# KiCad board TX75v2 PCB replacement.kicad_pcb (continued)
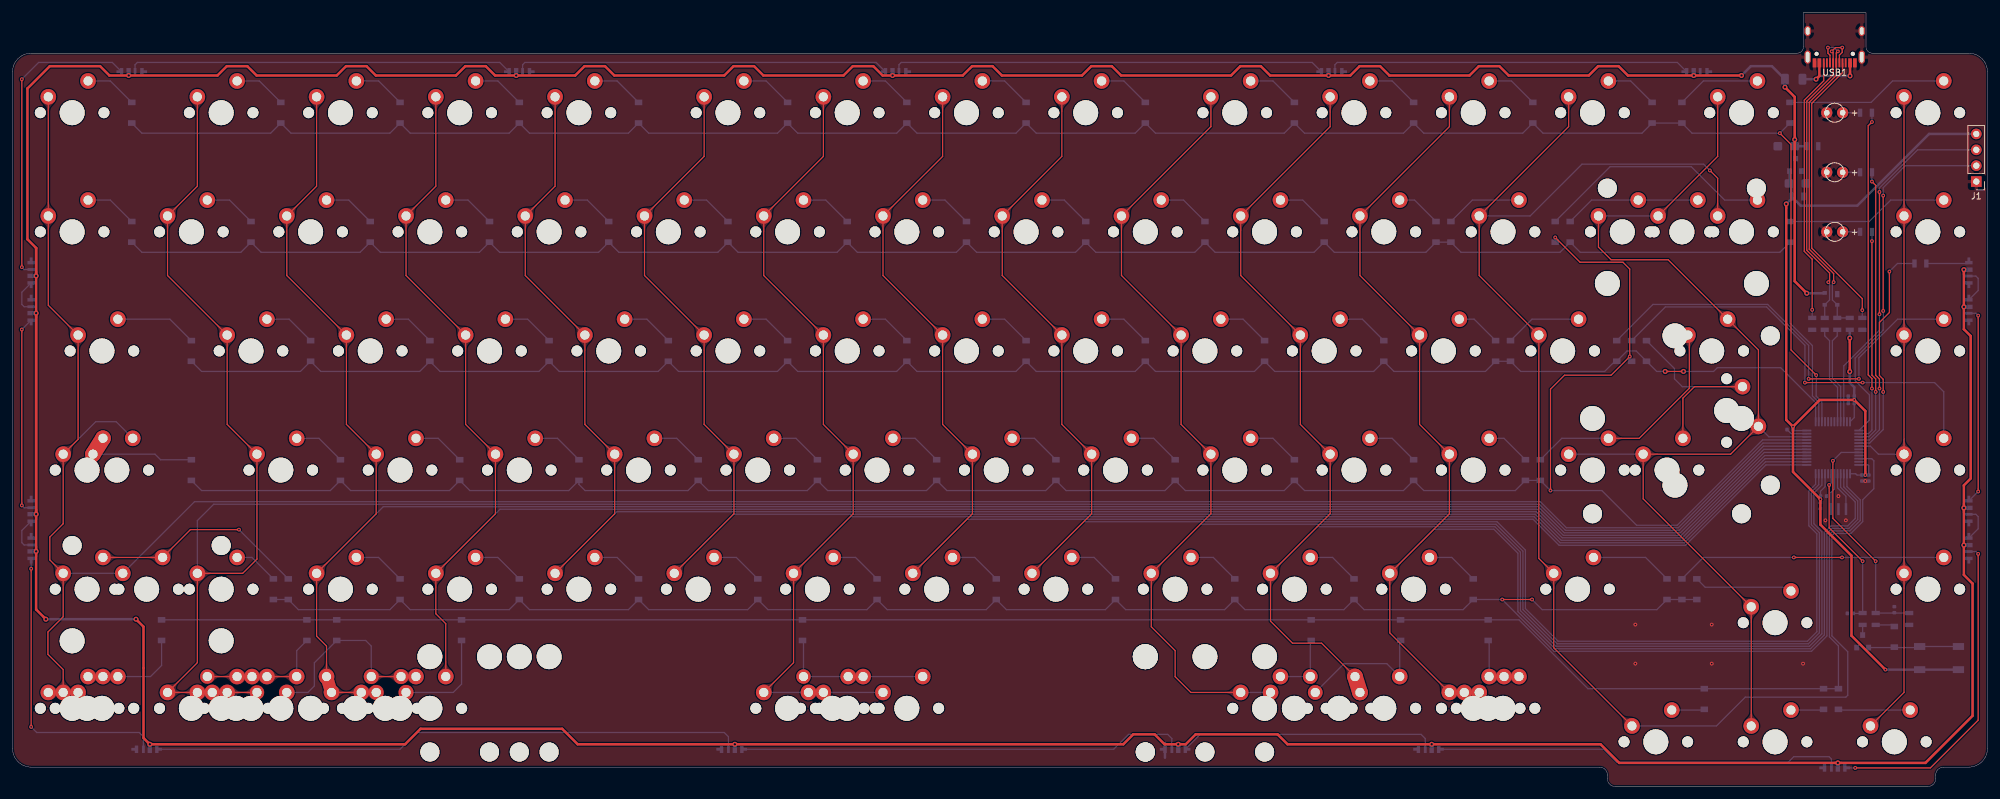
[diagram p0: board, top side]
## Copper pours and planes (outline as drawn; the poured copper is in the pictures) (continued)
C6 on Top: 132.47,54.83 132.54,54.76 132.61,54.68 132.67,54.61 132.72,54.54 132.77,54.47 132.81,54.4 132.84,54.34 132.87,54.27 132.89,54.21 132.91,54.15 132.93,54.09 132.94,54.02 132.95,53.96 132.96,53.9 132.99,53.38 133,53.3 133.01,53.23 133.02,53.15 133.03,53.08 133.05,52.99 133.07,52.91 133.09,52.82 133.12,52.73 134.74,52.7 134.71,54.32 134.62,54.35 134.53,54.38 134.45,54.4 134.37,54.41 134.29,54.43 134.21,54.44 134.14,54.45 134.07,54.45 133.54,54.48 133.48,54.49 133.42,54.5 133.36,54.51 133.3,54.53 133.23,54.55 133.17,54.57 133.11,54.6 133.04,54.64 132.97,54.68 132.91,54.72 132.84,54.77 132.76,54.83 132.69,54.9 132.61,54.97
C6 on Top: 120.12,88.75 120.12,88.86 120.12,88.96 120.13,89.05 120.15,89.14 120.16,89.22 120.18,89.29 120.2,89.36 120.23,89.43 120.26,89.49 120.29,89.55 120.32,89.6 120.35,89.66 120.39,89.71 120.43,89.76 120.78,90.15 120.82,90.2 120.87,90.26 120.92,90.32 120.96,90.39 121.01,90.46 121.05,90.53 121.1,90.61 121.14,90.7 120.01,91.87 118.89,90.7 118.93,90.61 118.98,90.53 119.02,90.46 119.07,90.39 119.11,90.32 119.16,90.26 119.21,90.2 119.25,90.15 119.6,89.76 119.64,89.71 119.68,89.66 119.71,89.6 119.74,89.55 119.77,89.49 119.8,89.43 119.83,89.36 119.85,89.29 119.87,89.22 119.88,89.14 119.9,89.05 119.91,88.96 119.91,88.86 119.91,88.75
C6 on Top: 127.71,73.88 127.78,73.81 127.85,73.73 127.91,73.66 127.96,73.59 128,73.52 128.04,73.45 128.08,73.39 128.11,73.32 128.13,73.26 128.15,73.2 128.17,73.14 128.18,73.07 128.19,73.01 128.2,72.95 128.23,72.43 128.23,72.35 128.24,72.28 128.25,72.2 128.27,72.13 128.28,72.04 128.3,71.96 128.33,71.87 128.36,71.78 129.98,71.75 129.95,73.37 129.86,73.4 129.77,73.43 129.69,73.45 129.61,73.46 129.53,73.48 129.45,73.49 129.38,73.5 129.31,73.5 128.78,73.53 128.72,73.54 128.66,73.55 128.6,73.56 128.53,73.58 128.47,73.6 128.41,73.62 128.34,73.65 128.28,73.69 128.21,73.73 128.14,73.77 128.07,73.82 128,73.88 127.93,73.95 127.85,74.02
C6 on Top: 129.64,107.8 129.64,107.91 129.65,108.01 129.66,108.1 129.67,108.19 129.69,108.27 129.71,108.34 129.73,108.41 129.75,108.48 129.78,108.54 129.81,108.6 129.84,108.65 129.88,108.71 129.91,108.76 129.95,108.81 130.3,109.2 130.35,109.25 130.39,109.31 130.44,109.37 130.49,109.44 130.53,109.51 130.58,109.58 130.62,109.66 130.66,109.75 129.54,110.92 128.41,109.75 128.46,109.66 128.5,109.58 128.55,109.51 128.59,109.44 128.64,109.37 128.69,109.31 128.73,109.25 128.78,109.2 129.13,108.81 129.17,108.76 129.2,108.71 129.24,108.65 129.27,108.6 129.3,108.54 129.33,108.48 129.35,108.41 129.37,108.34 129.39,108.27 129.41,108.19 129.42,108.1 129.43,108.01 129.44,107.91 129.44,107.8
C6 on Top: 121.7,93.07 121.63,93 121.55,92.93 121.48,92.87 121.41,92.82 121.34,92.78 121.28,92.74 121.21,92.7 121.15,92.67 121.08,92.65 121.02,92.63 120.96,92.61 120.9,92.6 120.83,92.59 120.77,92.58 120.25,92.55 120.18,92.55 120.1,92.54 120.03,92.53 119.95,92.51 119.87,92.5 119.78,92.48 119.7,92.45 119.6,92.42 119.57,90.8 121.2,90.83 121.23,90.92 121.25,91.01 121.27,91.09 121.29,91.18 121.3,91.25 121.31,91.33 121.32,91.4 121.33,91.48 121.36,92 121.36,92.06 121.37,92.12 121.39,92.19 121.4,92.25 121.42,92.31 121.45,92.37 121.48,92.44 121.51,92.5 121.55,92.57 121.6,92.64 121.65,92.71 121.71,92.78 121.77,92.86 121.85,92.93
C6 on Bottom: 132.03,15.14 131.92,15.14 131.82,15.15 131.73,15.16 131.65,15.17 131.57,15.19 131.49,15.21 131.42,15.23 131.35,15.25 131.29,15.28 131.23,15.31 131.18,15.34 131.12,15.38 131.07,15.42 131.02,15.45 130.63,15.8 130.58,15.85 130.52,15.9 130.46,15.94 130.39,15.99 130.32,16.03 130.25,16.08 130.17,16.12 130.08,16.17 128.91,15.04 130.08,13.92 130.17,13.96 130.25,14 130.32,14.05 130.39,14.09 130.46,14.14 130.52,14.19 130.58,14.23 130.63,14.28 131.02,14.63 131.07,14.67 131.12,14.7 131.18,14.74 131.23,14.77 131.29,14.8 131.35,14.83 131.42,14.85 131.49,14.88 131.57,14.9 131.65,14.91 131.73,14.92 131.82,14.93 131.92,14.94 132.03,14.94
C6 on Bottom: 136.57,14.94 136.68,14.94 136.78,14.93 136.87,14.92 136.96,14.91 137.04,14.9 137.11,14.88 137.19,14.85 137.25,14.83 137.31,14.8 137.37,14.77 137.43,14.74 137.48,14.7 137.53,14.67 137.58,14.63 137.97,14.28 138.03,14.23 138.08,14.19 138.15,14.14 138.21,14.09 138.28,14.05 138.36,14 138.43,13.96 138.52,13.92 139.69,15.04 138.52,16.17 138.43,16.12 138.36,16.08 138.28,16.03 138.21,15.99 138.15,15.94 138.08,15.9 138.03,15.85 137.97,15.8 137.58,15.45 137.53,15.42 137.48,15.38 137.43,15.34 137.37,15.31 137.31,15.28 137.25,15.25 137.19,15.23 137.11,15.21 137.04,15.19 136.96,15.17 136.87,15.16 136.78,15.15 136.68,15.14 136.57,15.14
C6 on Bottom: 124.67,14.94 124.77,14.94 124.87,14.93 124.97,14.92 125.05,14.91 125.13,14.9 125.21,14.88 125.28,14.85 125.34,14.83 125.41,14.8 125.47,14.77 125.52,14.74 125.57,14.7 125.63,14.67 125.67,14.63 126.07,14.28 126.12,14.23 126.18,14.19 126.24,14.14 126.31,14.09 126.37,14.05 126.45,14 126.53,13.96 126.61,13.92 127.78,15.04 126.61,16.17 126.53,16.12 126.45,16.08 126.37,16.03 126.31,15.99 126.24,15.94 126.18,15.9 126.12,15.85 126.07,15.8 125.67,15.45 125.63,15.42 125.57,15.38 125.52,15.34 125.47,15.31 125.41,15.28 125.34,15.25 125.28,15.23 125.21,15.21 125.13,15.19 125.05,15.17 124.97,15.16 124.87,15.15 124.77,15.14 124.67,15.14
C6 on Bottom: 122.5,15.14 122.4,15.14 122.3,15.15 122.21,15.16 122.12,15.17 122.04,15.19 121.97,15.21 121.89,15.23 121.83,15.25 121.77,15.28 121.71,15.31 121.65,15.34 121.6,15.38 121.55,15.42 121.5,15.45 121.11,15.8 121.05,15.85 121,15.9 120.93,15.94 120.87,15.99 120.8,16.03 120.72,16.08 120.65,16.12 120.56,16.17 119.39,15.04 120.56,13.92 120.65,13.96 120.72,14 120.8,14.05 120.87,14.09 120.93,14.14 121,14.19 121.05,14.23 121.11,14.28 121.5,14.63 121.55,14.67 121.6,14.7 121.65,14.74 121.71,14.77 121.77,14.8 121.83,14.83 121.89,14.85 121.97,14.88 122.04,14.9 122.12,14.91 122.21,14.92 122.3,14.93 122.4,14.94 122.5,14.94
C6 on Bottom: 126.47,35.92 126.39,35.85 126.32,35.78 126.24,35.72 126.17,35.67 126.11,35.63 126.04,35.59 125.97,35.55 125.91,35.52 125.85,35.5 125.78,35.48 125.72,35.46 125.66,35.45 125.6,35.44 125.54,35.43 125.01,35.4 124.94,35.4 124.87,35.39 124.79,35.38 124.71,35.36 124.63,35.35 124.55,35.33 124.46,35.3 124.37,35.27 124.34,33.65 125.96,33.68 125.99,33.77 126.01,33.86 126.03,33.94 126.05,34.03 126.06,34.1 126.07,34.18 126.08,34.25 126.09,34.33 126.12,34.85 126.13,34.91 126.14,34.97 126.15,35.04 126.17,35.1 126.19,35.16 126.21,35.22 126.24,35.29 126.27,35.35 126.31,35.42 126.36,35.49 126.41,35.56 126.47,35.63 126.54,35.71 126.61,35.78
C7 on Top: 153.45,50.65 153.45,50.76 153.46,50.86 153.47,50.95 153.48,51.04 153.5,51.12 153.52,51.19 153.54,51.26 153.57,51.33 153.59,51.39 153.62,51.45 153.66,51.5 153.69,51.56 153.73,51.61 153.77,51.66 154.11,52.05 154.16,52.1 154.21,52.16 154.25,52.22 154.3,52.29 154.35,52.36 154.39,52.43 154.43,52.51 154.48,52.6 153.35,53.77 152.23,52.6 152.27,52.51 152.31,52.43 152.36,52.36 152.41,52.29 152.45,52.22 152.5,52.16 152.54,52.1 152.59,52.05 152.94,51.66 152.98,51.61 153.01,51.56 153.05,51.5 153.08,51.45 153.11,51.39 153.14,51.33 153.16,51.26 153.19,51.19 153.21,51.12 153.22,51.04 153.24,50.95 153.24,50.86 153.25,50.76 153.25,50.65
C7 on Top: 145.52,35.92 145.44,35.85 145.37,35.78 145.29,35.72 145.22,35.67 145.16,35.63 145.09,35.59 145.02,35.55 144.96,35.52 144.9,35.5 144.83,35.48 144.77,35.46 144.71,35.45 144.65,35.44 144.59,35.43 144.06,35.4 143.99,35.4 143.92,35.39 143.84,35.38 143.76,35.36 143.68,35.35 143.6,35.33 143.51,35.3 143.42,35.27 143.39,33.65 145.01,33.68 145.04,33.77 145.06,33.86 145.08,33.94 145.1,34.03 145.11,34.1 145.12,34.18 145.13,34.25 145.14,34.33 145.17,34.85 145.18,34.91 145.19,34.97 145.2,35.04 145.22,35.1 145.24,35.16 145.26,35.22 145.29,35.29 145.32,35.35 145.36,35.42 145.41,35.49 145.46,35.56 145.52,35.63 145.59,35.71 145.66,35.78
C7 on Top: 148.69,69.7 148.69,69.81 148.7,69.91 148.71,70 148.72,70.09 148.74,70.17 148.76,70.24 148.78,70.31 148.8,70.38 148.83,70.44 148.86,70.5 148.89,70.55 148.93,70.61 148.96,70.66 149,70.71 149.35,71.1 149.4,71.15 149.44,71.21 149.49,71.27 149.54,71.34 149.58,71.41 149.63,71.48 149.67,71.56 149.72,71.65 148.59,72.82 147.47,71.65 147.51,71.56 147.55,71.48 147.6,71.41 147.64,71.34 147.69,71.27 147.74,71.21 147.78,71.15 147.83,71.1 148.18,70.71 148.22,70.66 148.25,70.61 148.29,70.55 148.32,70.5 148.35,70.44 148.38,70.38 148.4,70.31 148.42,70.24 148.44,70.17 148.46,70.09 148.47,70 148.48,69.91 148.49,69.81 148.49,69.7
C7 on Top: 151.52,54.83 151.59,54.76 151.66,54.68 151.72,54.61 151.77,54.54 151.82,54.47 151.86,54.4 151.89,54.34 151.92,54.27 151.94,54.21 151.96,54.15 151.98,54.09 151.99,54.02 152,53.96 152.01,53.9 152.04,53.38 152.05,53.3 152.06,53.23 152.07,53.15 152.08,53.08 152.1,52.99 152.12,52.91 152.14,52.82 152.17,52.73 153.79,52.7 153.76,54.32 153.67,54.35 153.58,54.38 153.5,54.4 153.42,54.41 153.34,54.43 153.26,54.44 153.19,54.45 153.12,54.45 152.59,54.48 152.53,54.49 152.47,54.5 152.41,54.51 152.35,54.53 152.28,54.55 152.22,54.57 152.16,54.6 152.09,54.64 152.02,54.68 151.96,54.72 151.89,54.77 151.81,54.83 151.74,54.9 151.66,54.97
C7 on Top: 139.16,88.75 139.17,88.86 139.17,88.96 139.18,89.05 139.2,89.14 139.21,89.22 139.23,89.29 139.25,89.36 139.28,89.43 139.31,89.49 139.34,89.55 139.37,89.6 139.4,89.66 139.44,89.71 139.48,89.76 139.83,90.15 139.87,90.2 139.92,90.26 139.97,90.32 140.01,90.39 140.06,90.46 140.1,90.53 140.15,90.61 140.19,90.7 139.06,91.87 137.94,90.7 137.98,90.61 138.03,90.53 138.07,90.46 138.12,90.39 138.16,90.32 138.21,90.26 138.26,90.2 138.3,90.15 138.65,89.76 138.69,89.71 138.73,89.66 138.76,89.6 138.79,89.55 138.82,89.49 138.85,89.43 138.88,89.36 138.9,89.29 138.92,89.22 138.93,89.14 138.95,89.05 138.96,88.96 138.96,88.86 138.97,88.75
C7 on Top: 146.76,73.88 146.83,73.81 146.9,73.73 146.96,73.66 147.01,73.59 147.05,73.52 147.09,73.45 147.13,73.39 147.16,73.32 147.18,73.26 147.2,73.2 147.22,73.14 147.23,73.07 147.24,73.01 147.25,72.95 147.28,72.43 147.28,72.35 147.29,72.28 147.3,72.2 147.32,72.13 147.33,72.04 147.35,71.96 147.38,71.87 147.41,71.78 149.03,71.75 149,73.37 148.91,73.4 148.82,73.43 148.74,73.45 148.66,73.46 148.58,73.48 148.5,73.49 148.43,73.5 148.36,73.5 147.83,73.53 147.77,73.54 147.71,73.55 147.65,73.56 147.58,73.58 147.52,73.6 147.46,73.62 147.39,73.65 147.33,73.69 147.26,73.73 147.19,73.77 147.12,73.82 147.05,73.88 146.98,73.95 146.9,74.02
C7 on Top: 148.69,107.8 148.69,107.91 148.7,108.01 148.71,108.1 148.72,108.19 148.74,108.27 148.76,108.34 148.78,108.41 148.8,108.48 148.83,108.54 148.86,108.6 148.89,108.65 148.93,108.71 148.96,108.76 149,108.81 149.35,109.2 149.4,109.25 149.44,109.31 149.49,109.37 149.54,109.44 149.58,109.51 149.63,109.58 149.67,109.66 149.72,109.75 148.59,110.92 147.47,109.75 147.51,109.66 147.55,109.58 147.6,109.51 147.64,109.44 147.69,109.37 147.74,109.31 147.78,109.25 147.83,109.2 148.18,108.81 148.22,108.76 148.25,108.71 148.29,108.65 148.32,108.6 148.35,108.54 148.38,108.48 148.4,108.41 148.42,108.34 148.44,108.27 148.46,108.19 148.47,108.1 148.48,108.01 148.49,107.91 148.49,107.8
C7 on Top: 140.75,93.07 140.68,93 140.6,92.93 140.53,92.87 140.46,92.82 140.39,92.78 140.33,92.74 140.26,92.7 140.2,92.67 140.13,92.65 140.07,92.63 140.01,92.61 139.95,92.6 139.88,92.59 139.82,92.58 139.3,92.55 139.23,92.55 139.15,92.54 139.08,92.53 139,92.51 138.92,92.5 138.83,92.48 138.75,92.45 138.65,92.42 138.62,90.8 140.25,90.83 140.28,90.92 140.3,91.01 140.32,91.09 140.34,91.18 140.35,91.25 140.36,91.33 140.37,91.4 140.38,91.48 140.41,92 140.41,92.06 140.42,92.12 140.44,92.19 140.45,92.25 140.47,92.31 140.5,92.37 140.53,92.44 140.56,92.5 140.6,92.57 140.65,92.64 140.7,92.71 140.76,92.78 140.82,92.86 140.9,92.93
C7 on Bottom: 145.52,35.92 145.44,35.85 145.37,35.78 145.29,35.72 145.22,35.67 145.16,35.63 145.09,35.59 145.02,35.55 144.96,35.52 144.9,35.5 144.83,35.48 144.77,35.46 144.71,35.45 144.65,35.44 144.59,35.43 144.06,35.4 143.99,35.4 143.92,35.39 143.84,35.38 143.76,35.36 143.68,35.35 143.6,35.33 143.51,35.3 143.42,35.27 143.39,33.65 145.01,33.68 145.04,33.77 145.06,33.86 145.08,33.94 145.1,34.03 145.11,34.1 145.12,34.18 145.13,34.25 145.14,34.33 145.17,34.85 145.18,34.91 145.19,34.97 145.2,35.04 145.22,35.1 145.24,35.16 145.26,35.22 145.29,35.29 145.32,35.35 145.36,35.42 145.41,35.49 145.46,35.56 145.52,35.63 145.59,35.71 145.66,35.78
C8 on Top: 172.5,50.65 172.5,50.76 172.51,50.86 172.52,50.95 172.53,51.04 172.55,51.12 172.57,51.19 172.59,51.26 172.62,51.33 172.64,51.39 172.67,51.45 172.71,51.5 172.74,51.56 172.78,51.61 172.82,51.66 173.16,52.05 173.21,52.1 173.26,52.16 173.3,52.22 173.35,52.29 173.4,52.36 173.44,52.43 173.48,52.51 173.53,52.6 172.4,53.77 171.28,52.6 171.32,52.51 171.36,52.43 171.41,52.36 171.46,52.29 171.5,52.22 171.55,52.16 171.59,52.1 171.64,52.05 171.99,51.66 172.03,51.61 172.06,51.56 172.1,51.5 172.13,51.45 172.16,51.39 172.19,51.33 172.21,51.26 172.24,51.19 172.26,51.12 172.27,51.04 172.29,50.95 172.29,50.86 172.3,50.76 172.3,50.65
C8 on Top: 164.57,35.92 164.49,35.85 164.42,35.78 164.34,35.72 164.27,35.67 164.21,35.63 164.14,35.59 164.07,35.55 164.01,35.52 163.95,35.5 163.88,35.48 163.82,35.46 163.76,35.45 163.7,35.44 163.64,35.43 163.11,35.4 163.04,35.4 162.97,35.39 162.89,35.38 162.81,35.36 162.73,35.35 162.65,35.33 162.56,35.3 162.47,35.27 162.44,33.65 164.06,33.68 164.09,33.77 164.11,33.86 164.13,33.94 164.15,34.03 164.16,34.1 164.17,34.18 164.18,34.25 164.19,34.33 164.22,34.85 164.23,34.91 164.24,34.97 164.25,35.04 164.27,35.1 164.29,35.16 164.31,35.22 164.34,35.29 164.37,35.35 164.41,35.42 164.46,35.49 164.51,35.56 164.57,35.63 164.64,35.71 164.71,35.78
C8 on Top: 167.74,69.7 167.74,69.81 167.75,69.91 167.76,70 167.77,70.09 167.79,70.17 167.81,70.24 167.83,70.31 167.85,70.38 167.88,70.44 167.91,70.5 167.94,70.55 167.98,70.61 168.01,70.66 168.05,70.71 168.4,71.1 168.45,71.15 168.49,71.21 168.54,71.27 168.59,71.34 168.63,71.41 168.68,71.48 168.72,71.56 168.77,71.65 167.64,72.82 166.52,71.65 166.56,71.56 166.6,71.48 166.65,71.41 166.69,71.34 166.74,71.27 166.79,71.21 166.83,71.15 166.88,71.1 167.23,70.71 167.27,70.66 167.3,70.61 167.34,70.55 167.37,70.5 167.4,70.44 167.43,70.38 167.45,70.31 167.47,70.24 167.49,70.17 167.51,70.09 167.52,70 167.53,69.91 167.54,69.81 167.54,69.7
C8 on Top: 170.57,54.83 170.64,54.76 170.71,54.68 170.77,54.61 170.82,54.54 170.87,54.47 170.91,54.4 170.94,54.34 170.97,54.27 170.99,54.21 171.01,54.15 171.03,54.09 171.04,54.02 171.05,53.96 171.06,53.9 171.09,53.38 171.1,53.3 171.11,53.23 171.12,53.15 171.13,53.08 171.15,52.99 171.17,52.91 171.19,52.82 171.22,52.73 172.84,52.7 172.81,54.32 172.72,54.35 172.63,54.38 172.55,54.4 172.47,54.41 172.39,54.43 172.31,54.44 172.24,54.45 172.17,54.45 171.64,54.48 171.58,54.49 171.52,54.5 171.46,54.51 171.4,54.53 171.33,54.55 171.27,54.57 171.21,54.6 171.14,54.64 171.07,54.68 171.01,54.72 170.94,54.77 170.86,54.83 170.79,54.9 170.71,54.97
C8 on Top: 158.22,88.75 158.22,88.86 158.22,88.96 158.23,89.05 158.25,89.14 158.26,89.22 158.28,89.29 158.3,89.36 158.33,89.43 158.36,89.49 158.39,89.55 158.42,89.6 158.45,89.66 158.49,89.71 158.53,89.76 158.88,90.15 158.92,90.2 158.97,90.26 159.02,90.32 159.06,90.39 159.11,90.46 159.15,90.53 159.2,90.61 159.24,90.7 158.12,91.87 156.99,90.7 157.03,90.61 157.08,90.53 157.12,90.46 157.17,90.39 157.21,90.32 157.26,90.26 157.31,90.2 157.35,90.15 157.7,89.76 157.74,89.71 157.78,89.66 157.81,89.6 157.84,89.55 157.87,89.49 157.9,89.43 157.93,89.36 157.95,89.29 157.97,89.22 157.98,89.14 158,89.05 158.01,88.96 158.01,88.86 158.01,88.75
C8 on Top: 165.81,73.88 165.88,73.81 165.95,73.73 166.01,73.66 166.06,73.59 166.1,73.52 166.14,73.45 166.18,73.39 166.21,73.32 166.23,73.26 166.25,73.2 166.27,73.14 166.28,73.07 166.29,73.01 166.3,72.95 166.33,72.43 166.33,72.35 166.34,72.28 166.35,72.2 166.37,72.13 166.38,72.04 166.4,71.96 166.43,71.87 166.46,71.78 168.08,71.75 168.05,73.37 167.96,73.4 167.87,73.43 167.79,73.45 167.71,73.46 167.63,73.48 167.55,73.49 167.48,73.5 167.41,73.5 166.88,73.53 166.82,73.54 166.76,73.55 166.7,73.56 166.63,73.58 166.57,73.6 166.51,73.62 166.44,73.65 166.38,73.69 166.31,73.73 166.24,73.77 166.17,73.82 166.1,73.88 166.03,73.95 165.95,74.02
C8 on Top: 167.74,107.8 167.74,107.91 167.75,108.01 167.76,108.1 167.77,108.19 167.79,108.27 167.81,108.34 167.83,108.41 167.85,108.48 167.88,108.54 167.91,108.6 167.94,108.65 167.98,108.71 168.01,108.76 168.05,108.81 168.4,109.2 168.45,109.25 168.49,109.31 168.54,109.37 168.59,109.44 168.63,109.51 168.68,109.58 168.72,109.66 168.77,109.75 167.64,110.92 166.52,109.75 166.56,109.66 166.6,109.58 166.65,109.51 166.69,109.44 166.74,109.37 166.79,109.31 166.83,109.25 166.88,109.2 167.23,108.81 167.27,108.76 167.3,108.71 167.34,108.65 167.37,108.6 167.4,108.54 167.43,108.48 167.45,108.41 167.47,108.34 167.49,108.27 167.51,108.19 167.52,108.1 167.53,108.01 167.54,107.91 167.54,107.8
C8 on Top: 159.8,93.07 159.73,93 159.65,92.93 159.58,92.87 159.51,92.82 159.44,92.78 159.38,92.74 159.31,92.7 159.25,92.67 159.18,92.65 159.12,92.63 159.06,92.61 159,92.6 158.93,92.59 158.87,92.58 158.35,92.55 158.28,92.55 158.2,92.54 158.13,92.53 158.05,92.51 157.97,92.5 157.88,92.48 157.8,92.45 157.7,92.42 157.67,90.8 159.3,90.83 159.33,90.92 159.35,91.01 159.37,91.09 159.39,91.18 159.4,91.25 159.41,91.33 159.42,91.4 159.43,91.48 159.46,92 159.46,92.06 159.47,92.12 159.49,92.19 159.5,92.25 159.52,92.31 159.55,92.37 159.58,92.44 159.61,92.5 159.65,92.57 159.7,92.64 159.75,92.71 159.81,92.78 159.87,92.86 159.95,92.93
C8 on Bottom: 164.57,35.92 164.49,35.85 164.42,35.78 164.34,35.72 164.27,35.67 164.21,35.63 164.14,35.59 164.07,35.55 164.01,35.52 163.95,35.5 163.88,35.48 163.82,35.46 163.76,35.45 163.7,35.44 163.64,35.43 163.11,35.4 163.04,35.4 162.97,35.39 162.89,35.38 162.81,35.36 162.73,35.35 162.65,35.33 162.56,35.3 162.47,35.27 162.44,33.65 164.06,33.68 164.09,33.77 164.11,33.86 164.13,33.94 164.15,34.03 164.16,34.1 164.17,34.18 164.18,34.25 164.19,34.33 164.22,34.85 164.23,34.91 164.24,34.97 164.25,35.04 164.27,35.1 164.29,35.16 164.31,35.22 164.34,35.29 164.37,35.35 164.41,35.42 164.46,35.49 164.51,35.56 164.57,35.63 164.64,35.71 164.71,35.78
C9 on Top: 193.72,14.94 193.83,14.94 193.93,14.93 194.02,14.92 194.11,14.91 194.19,14.9 194.26,14.88 194.34,14.85 194.4,14.83 194.46,14.8 194.52,14.77 194.58,14.74 194.63,14.7 194.68,14.67 194.73,14.63 195.12,14.28 195.18,14.23 195.23,14.19 195.3,14.14 195.36,14.09 195.43,14.05 195.51,14 195.58,13.96 195.67,13.92 196.84,15.04 195.67,16.17 195.58,16.12 195.51,16.08 195.43,16.03 195.36,15.99 195.3,15.94 195.23,15.9 195.18,15.85 195.12,15.8 194.73,15.45 194.68,15.42 194.63,15.38 194.58,15.34 194.52,15.31 194.46,15.28 194.4,15.25 194.34,15.23 194.26,15.21 194.19,15.19 194.11,15.17 194.02,15.16 193.93,15.15 193.83,15.14 193.72,15.14
C9 on Top: 182.03,31.6 182.03,31.71 182.04,31.81 182.04,31.9 182.06,31.99 182.07,32.07 182.09,32.14 182.12,32.21 182.14,32.28 182.17,32.34 182.2,32.4 182.23,32.45 182.27,32.51 182.3,32.56 182.34,32.61 182.69,33 182.74,33.05 182.78,33.11 182.83,33.17 182.87,33.24 182.92,33.31 182.97,33.38 183.01,33.46 183.05,33.55 181.93,34.72 180.8,33.55 180.85,33.46 180.89,33.38 180.93,33.31 180.98,33.24 181.03,33.17 181.07,33.11 181.12,33.05 181.17,33 181.51,32.61 181.55,32.56 181.59,32.51 181.62,32.45 181.66,32.4 181.69,32.34 181.71,32.28 181.74,32.21 181.76,32.14 181.78,32.07 181.8,31.99 181.81,31.9 181.82,31.81 181.83,31.71 181.83,31.6
C9 on Top: 191.55,50.65 191.55,50.76 191.56,50.86 191.57,50.95 191.58,51.04 191.6,51.12 191.62,51.19 191.64,51.26 191.67,51.33 191.69,51.39 191.72,51.45 191.76,51.5 191.79,51.56 191.83,51.61 191.87,51.66 192.21,52.05 192.26,52.1 192.31,52.16 192.35,52.22 192.4,52.29 192.45,52.36 192.49,52.43 192.53,52.51 192.58,52.6 191.45,53.77 190.33,52.6 190.37,52.51 190.41,52.43 190.46,52.36 190.51,52.29 190.55,52.22 190.6,52.16 190.64,52.1 190.69,52.05 191.04,51.66 191.08,51.61 191.11,51.56 191.15,51.5 191.18,51.45 191.21,51.39 191.24,51.33 191.26,51.26 191.29,51.19 191.31,51.12 191.32,51.04 191.34,50.95 191.34,50.86 191.35,50.76 191.35,50.65
C9 on Top: 183.62,35.92 183.54,35.85 183.47,35.78 183.39,35.72 183.32,35.67 183.26,35.63 183.19,35.59 183.12,35.55 183.06,35.52 183,35.5 182.93,35.48 182.87,35.46 182.81,35.45 182.75,35.44 182.69,35.43 182.16,35.4 182.09,35.4 182.02,35.39 181.94,35.38 181.86,35.36 181.78,35.35 181.7,35.33 181.61,35.3 181.52,35.27 181.49,33.65 183.11,33.68 183.14,33.77 183.16,33.86 183.18,33.94 183.2,34.03 183.21,34.1 183.22,34.18 183.23,34.25 183.24,34.33 183.27,34.85 183.28,34.91 183.29,34.97 183.3,35.04 183.32,35.1 183.34,35.16 183.36,35.22 183.39,35.29 183.42,35.35 183.46,35.42 183.51,35.49 183.56,35.56 183.62,35.63 183.69,35.71 183.76,35.78
C9 on Top: 186.79,69.7 186.79,69.81 186.8,69.91 186.81,70 186.82,70.09 186.84,70.17 186.86,70.24 186.88,70.31 186.9,70.38 186.93,70.44 186.96,70.5 186.99,70.55 187.03,70.61 187.06,70.66 187.1,70.71 187.45,71.1 187.5,71.15 187.54,71.21 187.59,71.27 187.64,71.34 187.68,71.41 187.73,71.48 187.77,71.56 187.81,71.65 186.69,72.82 185.56,71.65 185.61,71.56 185.65,71.48 185.7,71.41 185.74,71.34 185.79,71.27 185.84,71.21 185.88,71.15 185.93,71.1 186.28,70.71 186.32,70.66 186.35,70.61 186.39,70.55 186.42,70.5 186.45,70.44 186.48,70.38 186.5,70.31 186.52,70.24 186.54,70.17 186.56,70.09 186.57,70 186.58,69.91 186.59,69.81 186.59,69.7
C9 on Top: 189.62,54.83 189.69,54.76 189.76,54.68 189.82,54.61 189.87,54.54 189.92,54.47 189.96,54.4 189.99,54.34 190.02,54.27 190.04,54.21 190.06,54.15 190.08,54.09 190.09,54.02 190.1,53.96 190.11,53.9 190.14,53.38 190.15,53.3 190.16,53.23 190.17,53.15 190.18,53.08 190.2,52.99 190.22,52.91 190.24,52.82 190.27,52.73 191.89,52.7 191.86,54.32 191.77,54.35 191.68,54.38 191.6,54.4 191.52,54.41 191.44,54.43 191.36,54.44 191.29,54.45 191.22,54.45 190.69,54.48 190.63,54.49 190.57,54.5 190.51,54.51 190.45,54.53 190.38,54.55 190.32,54.57 190.26,54.6 190.19,54.64 190.12,54.68 190.06,54.72 189.99,54.77 189.91,54.83 189.84,54.9 189.76,54.97
C9 on Top: 177.27,88.75 177.27,88.86 177.27,88.96 177.28,89.05 177.3,89.14 177.31,89.22 177.33,89.29 177.35,89.36 177.38,89.43 177.41,89.49 177.44,89.55 177.47,89.6 177.5,89.66 177.54,89.71 177.58,89.76 177.93,90.15 177.97,90.2 178.02,90.26 178.07,90.32 178.11,90.39 178.16,90.46 178.2,90.53 178.25,90.61 178.29,90.7 177.16,91.87 176.04,90.7 176.08,90.61 176.13,90.53 176.17,90.46 176.22,90.39 176.26,90.32 176.31,90.26 176.36,90.2 176.4,90.15 176.75,89.76 176.79,89.71 176.83,89.66 176.86,89.6 176.89,89.55 176.92,89.49 176.95,89.43 176.98,89.36 177,89.29 177.02,89.22 177.03,89.14 177.05,89.05 177.06,88.96 177.06,88.86 177.06,88.75
C9 on Top: 184.86,73.88 184.93,73.81 185,73.73 185.06,73.66 185.11,73.59 185.15,73.52 185.19,73.45 185.23,73.39 185.26,73.32 185.28,73.26 185.3,73.2 185.32,73.14 185.33,73.07 185.34,73.01 185.35,72.95 185.38,72.43 185.38,72.35 185.39,72.28 185.4,72.2 185.42,72.13 185.43,72.04 185.45,71.96 185.48,71.87 185.51,71.78 187.13,71.75 187.1,73.37 187.01,73.4 186.92,73.43 186.84,73.45 186.76,73.46 186.68,73.48 186.6,73.49 186.53,73.5 186.46,73.5 185.93,73.53 185.87,73.54 185.81,73.55 185.75,73.56 185.68,73.58 185.62,73.6 185.56,73.62 185.49,73.65 185.43,73.69 185.36,73.73 185.29,73.77 185.22,73.82 185.15,73.88 185.08,73.95 185,74.02
C9 on Top: 191.55,107.8 191.55,107.91 191.56,108.01 191.57,108.1 191.58,108.19 191.6,108.27 191.62,108.34 191.64,108.41 191.67,108.48 191.69,108.54 191.72,108.6 191.76,108.65 191.79,108.71 191.83,108.76 191.87,108.81 192.21,109.2 192.26,109.25 192.31,109.31 192.35,109.37 192.4,109.44 192.45,109.51 192.49,109.58 192.53,109.66 192.58,109.75 191.45,110.92 190.33,109.75 190.37,109.66 190.41,109.58 190.46,109.51 190.51,109.44 190.55,109.37 190.6,109.31 190.64,109.25 190.69,109.2 191.04,108.81 191.08,108.76 191.11,108.71 191.15,108.65 191.18,108.6 191.21,108.54 191.24,108.48 191.26,108.41 191.29,108.34 191.31,108.27 191.32,108.19 191.34,108.1 191.34,108.01 191.35,107.91 191.35,107.8
C9 on Top: 178.85,93.07 178.78,93 178.7,92.93 178.63,92.87 178.56,92.82 178.49,92.78 178.43,92.74 178.36,92.7 178.3,92.67 178.23,92.65 178.17,92.63 178.11,92.61 178.05,92.6 177.98,92.59 177.92,92.58 177.4,92.55 177.33,92.55 177.25,92.54 177.18,92.53 177.1,92.51 177.02,92.5 176.93,92.48 176.85,92.45 176.75,92.42 176.72,90.8 178.35,90.83 178.38,90.92 178.4,91.01 178.42,91.09 178.44,91.18 178.45,91.25 178.46,91.33 178.47,91.4 178.48,91.48 178.51,92 178.51,92.06 178.52,92.12 178.54,92.19 178.55,92.25 178.57,92.31 178.6,92.37 178.63,92.44 178.66,92.5 178.7,92.57 178.75,92.64 178.8,92.71 178.86,92.78 178.92,92.86 179,92.93
C9 on Bottom: 183.62,35.92 183.54,35.85 183.47,35.78 183.39,35.72 183.32,35.67 183.26,35.63 183.19,35.59 183.12,35.55 183.06,35.52 183,35.5 182.93,35.48 182.87,35.46 182.81,35.45 182.75,35.44 182.69,35.43 182.16,35.4 182.09,35.4 182.02,35.39 181.94,35.38 181.86,35.36 181.78,35.35 181.7,35.33 181.61,35.3 181.52,35.27 181.49,33.65 183.11,33.68 183.14,33.77 183.16,33.86 183.18,33.94 183.2,34.03 183.21,34.1 183.22,34.18 183.23,34.25 183.24,34.33 183.27,34.85 183.28,34.91 183.29,34.97 183.3,35.04 183.32,35.1 183.34,35.16 183.36,35.22 183.39,35.29 183.42,35.35 183.46,35.42 183.51,35.49 183.56,35.56 183.62,35.63 183.69,35.71 183.76,35.78